# KiCad board Cockpit.kicad_pcb (continued)
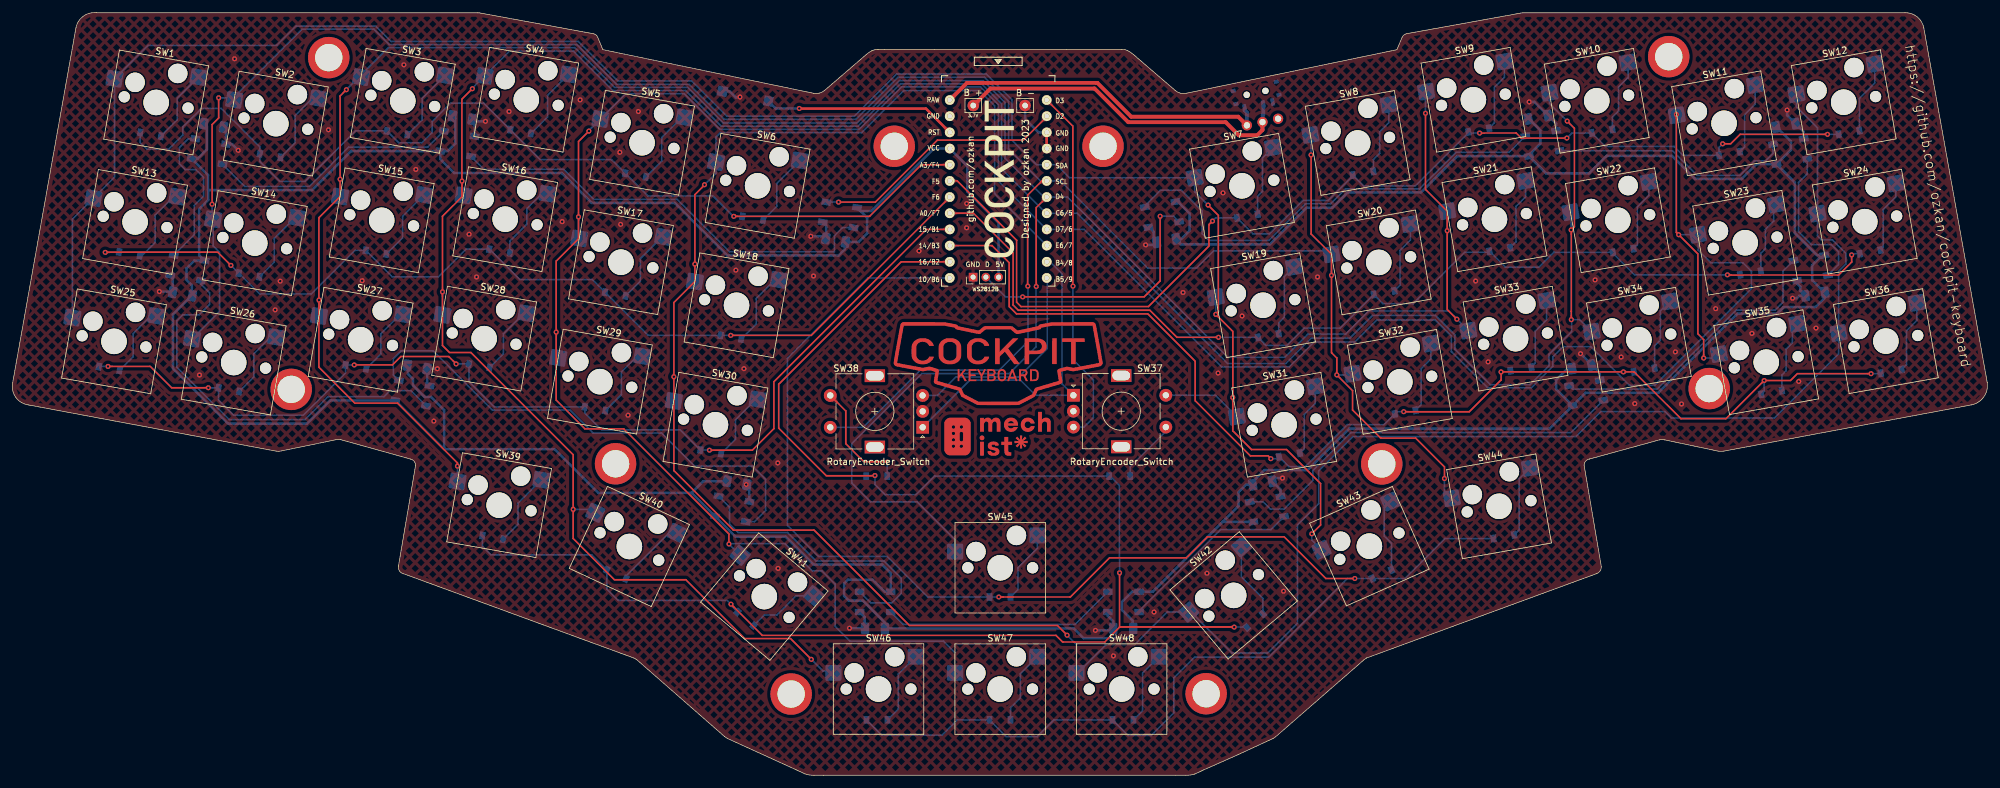
[diagram p0: board, top side]
## Copper pours and planes (outline as drawn; the poured copper is in the pictures) (continued)
VCC on Bottom: 238.78,96.68 238.7,96.76 238.64,96.83 238.59,96.9 238.55,96.96 238.53,97.03 238.5,97.09 238.48,97.16 238.44,97.31 238.41,97.4 237.76,97.41 237.77,96.76 237.86,96.73 238.01,96.69 238.08,96.67 238.14,96.65 238.21,96.62 238.27,96.58 238.34,96.53 238.41,96.47 238.49,96.39
VCC on Bottom: 277.64,95.41 277.56,95.49 277.5,95.56 277.45,95.63 277.42,95.69 277.39,95.76 277.36,95.82 277.34,95.89 277.3,96.04 277.27,96.13 276.62,96.14 276.63,95.49 276.72,95.46 276.88,95.42 276.94,95.4 277.01,95.38 277.07,95.35 277.13,95.31 277.2,95.26 277.27,95.2 277.36,95.12
VCC on Bottom: 277.36,96.81 277.28,96.73 277.21,96.67 277.14,96.62 277.08,96.59 277.01,96.56 276.95,96.53 276.88,96.51 276.73,96.47 276.64,96.44 276.62,95.79 277.27,95.8 277.3,95.89 277.35,96.04 277.37,96.11 277.39,96.17 277.42,96.24 277.46,96.3 277.51,96.37 277.57,96.44 277.65,96.52
VCC on Bottom: 27.89,76.64 27.89,76.48 27.87,76.34 27.85,76.23 27.82,76.13 27.78,76.04 27.74,75.95 27.7,75.86 27.65,75.76 27.6,75.65 27.55,75.52 28.22,74.98 28.74,75.67 28.66,75.78 28.59,75.87 28.53,75.95 28.47,76.03 28.42,76.1 28.38,76.18 28.34,76.27 28.32,76.37 28.3,76.49 28.29,76.64
VCC on Bottom: 193.55,45.35 193.63,45.41 193.7,45.44 193.77,45.43 193.84,45.4 193.91,45.36 193.98,45.3 194.05,45.23 194.12,45.16 194.2,45.09 194.28,45.04 194.92,45.62 194.12,46.09 194.03,46.02 193.95,45.97 193.87,45.93 193.79,45.9 193.63,45.86 193.55,45.83 193.46,45.78 193.37,45.72 193.27,45.63
VCC on Bottom: 175.77,28.63 175.88,28.63 175.98,28.62 176.06,28.6 176.13,28.58 176.19,28.56 176.26,28.53 176.32,28.5 176.46,28.42 176.54,28.38 177.01,28.83 176.54,29.28 176.46,29.24 176.32,29.16 176.26,29.13 176.19,29.1 176.13,29.07 176.06,29.05 175.98,29.04 175.88,29.03 175.77,29.03
VCC on Bottom: 195.1,46.88 194.97,46.76 194.86,46.66 194.76,46.58 194.67,46.52 194.5,46.41 194.42,46.35 194.33,46.28 194.23,46.2 194.12,46.09 194.5,45.31 195.24,45.74 195.22,45.85 195.2,45.94 195.19,46.03 195.17,46.11 195.17,46.19 195.18,46.27 195.2,46.34 195.24,46.42 195.3,46.5 195.38,46.59
VCC on Bottom: 145.53,98.23 145.7,98.22 145.85,98.2 145.97,98.17 146.08,98.12 146.17,98.07 146.27,98.02 146.36,97.95 146.46,97.88 146.58,97.81 146.72,97.74 147.43,98.43 146.72,99.11 146.58,99.04 146.46,98.97 146.36,98.9 146.27,98.84 146.17,98.78 146.08,98.73 145.97,98.68 145.85,98.65 145.7,98.63 145.53,98.63
VCC on Bottom: 69.66,102.41 69.67,103.55 68.78,103.8 68.77,102.94 68.93,102.87 69,102.84 69.06,102.81 69.12,102.77 69.17,102.72 69.21,102.66 69.23,102.59 69.25,102.51 69.26,102.41
VCC on Bottom: 283.6,81.04 283.66,81.1 283.72,81.14 283.78,81.18 283.84,81.2 283.89,81.21 283.95,81.22 284.01,81.21 284.07,81.21 284.21,81.19 284.53,81.75 283.94,82.03 283.86,81.96 283.8,81.88 283.74,81.82 283.6,81.64 283.54,81.57 283.48,81.5 283.4,81.41 283.31,81.32
VCC on Bottom: 283.3,81.48 283.41,81.48 283.51,81.47 283.59,81.45 283.66,81.43 283.72,81.41 283.79,81.38 283.85,81.35 283.99,81.27 284.07,81.23 284.54,81.68 284.07,82.13 283.99,82.09 283.85,82.01 283.79,81.98 283.72,81.95 283.66,81.93 283.59,81.91 283.51,81.89 283.41,81.88 283.3,81.88
VCC on Bottom: 131.92,83.97 131.78,83.97 131.66,83.99 131.56,84.02 131.48,84.05 131.4,84.09 131.32,84.14 131.25,84.19 131.17,84.24 131.07,84.3 130.96,84.36 130.36,83.74 130.99,83.16 131.1,83.22 131.19,83.28 131.34,83.39 131.41,83.44 131.49,83.48 131.57,83.52 131.67,83.54 131.78,83.56 131.92,83.57
VCC on Bottom: 175.54,24.21 175.62,24.11 175.66,24.02 175.65,23.93 175.62,23.85 175.56,23.76 175.49,23.68 175.41,23.59 175.33,23.49 175.26,23.39 175.21,23.27 175.88,22.73 176.31,23.53 176.23,23.63 176.17,23.72 176.13,23.81 176.11,23.9 176.09,23.99 176.07,24.09 176.04,24.18 175.99,24.28 175.92,24.39 175.82,24.5
VCC on Bottom: 27.34,74.29 27.44,74.38 27.54,74.46 27.63,74.51 27.72,74.55 27.81,74.58 27.9,74.6 27.99,74.61 28.09,74.62 28.2,74.64 28.33,74.67 28.44,75.52 27.58,75.59 27.53,75.47 27.49,75.36 27.45,75.25 27.42,75.16 27.39,75.07 27.35,74.98 27.31,74.89 27.24,74.79 27.16,74.68 27.05,74.57
B4 on Bottom: 163.63,79.97 163.49,80.12 163.39,80.25 163.31,80.37 163.25,80.49 163.2,80.6 163.14,80.71 163.09,80.82 163.02,80.93 162.93,81.05 162.81,81.18 161.9,80.76 162.38,79.89 162.52,79.92 162.64,79.95 162.75,79.97 162.85,80 162.95,80.01 163.05,80.01 163.14,79.99 163.24,79.96 163.34,79.89 163.45,79.79
B4 on Bottom: 164.96,61 165.12,60.82 165.23,60.66 165.3,60.51 165.35,60.36 165.37,60.22 165.39,60.07 165.4,59.91 165.42,59.74 165.45,59.56 165.51,59.35 166.81,59.33 166.78,60.62 166.58,60.68 166.39,60.72 166.22,60.74 166.07,60.75 165.92,60.76 165.77,60.79 165.63,60.83 165.48,60.91 165.31,61.02 165.14,61.18
B4 on Bottom: 164.47,59.55 164.7,59.54 164.9,59.51 165.05,59.45 165.19,59.38 165.31,59.29 165.42,59.2 165.54,59.1 165.68,58.99 165.83,58.88 166.02,58.78 166.96,59.68 166.02,60.58 165.83,60.48 165.68,60.37 165.54,60.26 165.42,60.16 165.31,60.07 165.19,59.98 165.05,59.91 164.9,59.85 164.7,59.82 164.47,59.8
B4 on Bottom: 144.11,56.14 143.94,55.99 143.78,55.87 143.62,55.8 143.48,55.76 143.33,55.73 143.18,55.72 143.03,55.71 142.86,55.69 142.67,55.65 142.47,55.59 142.44,54.29 143.74,54.32 143.8,54.53 143.83,54.71 143.85,54.88 143.86,55.04 143.88,55.19 143.9,55.33 143.95,55.48 144.02,55.63 144.13,55.79 144.29,55.97
B5 on Bottom: 144.78,59.77 144.55,59.79 144.36,59.82 144.2,59.88 144.06,59.95 143.94,60.03 143.83,60.13 143.71,60.23 143.57,60.34 143.42,60.44 143.23,60.55 142.29,59.65 143.23,58.75 143.42,58.85 143.57,58.96 143.71,59.06 143.83,59.17 143.94,59.26 144.06,59.35 144.2,59.42 144.36,59.47 144.55,59.51 144.78,59.52
B5 on Bottom: 162.47,76.59 162.48,76.77 162.5,76.92 162.54,77.05 162.59,77.16 162.65,77.26 162.72,77.35 162.78,77.45 162.85,77.56 162.92,77.69 162.98,77.85 162.23,78.48 161.62,77.71 161.71,77.58 161.8,77.47 161.88,77.37 161.96,77.29 162.03,77.21 162.09,77.12 162.15,77.02 162.19,76.9 162.21,76.76 162.22,76.59
COL0 on Bottom: 190.25,58 190.45,57.78 190.59,57.57 190.68,57.38 190.73,57.2 190.76,57.01 190.77,56.82 190.78,56.62 190.8,56.41 190.84,56.18 190.92,55.92 192.54,55.88 192.51,57.51 192.25,57.58 192.02,57.62 191.8,57.65 191.6,57.66 191.42,57.67 191.23,57.7 191.05,57.75 190.85,57.84 190.65,57.98 190.43,58.18
COL0 on Bottom: 9.23,74.36 9.21,74.07 9.17,73.83 9.09,73.63 9,73.46 8.89,73.31 8.77,73.17 8.63,73.02 8.5,72.85 8.36,72.66 8.23,72.42 9.36,71.25 10.48,72.42 10.35,72.66 10.21,72.85 10.08,73.02 9.95,73.17 9.82,73.31 9.71,73.46 9.62,73.63 9.54,73.83 9.5,74.07 9.48,74.36
COL0 on Bottom: 160.75,95.76 160.93,95.75 161.07,95.73 161.19,95.69 161.3,95.64 161.39,95.57 161.48,95.51 161.57,95.43 161.68,95.36 161.79,95.28 161.94,95.2 162.65,95.89 161.94,96.57 161.79,96.49 161.68,96.42 161.57,96.34 161.48,96.26 161.39,96.2 161.3,96.14 161.19,96.08 161.07,96.04 160.93,96.02 160.75,96.01
COL0 on Bottom: 182.95,59.8 182.71,59.82 182.52,59.85 182.36,59.91 182.22,59.98 182.1,60.07 181.99,60.16 181.87,60.26 181.74,60.37 181.58,60.48 181.39,60.58 180.46,59.68 181.39,58.78 181.58,58.88 181.74,58.99 181.87,59.1 181.99,59.2 182.1,59.29 182.22,59.38 182.36,59.45 182.52,59.51 182.71,59.54 182.95,59.55
COL0 on Bottom: 188.92,72.6 188.93,72.89 188.98,73.14 189.05,73.33 189.15,73.5 189.26,73.65 189.38,73.79 189.52,73.94 189.65,74.11 189.79,74.3 189.92,74.54 188.79,75.71 187.67,74.54 187.8,74.3 187.93,74.11 188.07,73.94 188.2,73.79 188.33,73.65 188.44,73.5 188.53,73.33 188.6,73.14 188.65,72.89 188.67,72.6
COL0 on Bottom: 185.79,91.52 185.63,91.72 185.57,91.9 185.59,92.07 185.67,92.22 185.8,92.38 185.96,92.54 186.13,92.7 186.31,92.88 186.48,93.08 186.61,93.3 185.48,94.47 184.6,92.96 184.76,92.79 184.87,92.63 184.96,92.48 185.02,92.33 185.08,92.18 185.14,92.04 185.21,91.88 185.3,91.72 185.44,91.54 185.61,91.35
COL0 on Bottom: 17.66,111.24 17.44,111.05 17.23,110.91 17.04,110.82 16.86,110.76 16.67,110.74 16.48,110.72 16.28,110.71 16.07,110.69 15.83,110.65 15.57,110.58 15.53,108.96 17.15,108.97 17.23,109.23 17.27,109.47 17.3,109.68 17.31,109.88 17.32,110.07 17.35,110.26 17.41,110.45 17.5,110.64 17.64,110.84 17.84,111.07
COL0 on Bottom: 182.99,93.72 183.29,93.71 183.53,93.66 183.73,93.59 183.9,93.49 184.05,93.38 184.19,93.26 184.34,93.13 184.51,92.99 184.7,92.85 184.94,92.72 186.11,93.85 184.94,94.97 184.7,94.84 184.51,94.71 184.34,94.57 184.19,94.44 184.05,94.31 183.9,94.2 183.73,94.11 183.53,94.04 183.29,93.99 182.99,93.97
COL0 on Bottom: 163.89,95.97 163.77,96.07 163.65,96.14 163.54,96.18 163.43,96.2 163.33,96.22 163.23,96.23 163.12,96.24 163.02,96.28 162.91,96.33 162.81,96.42 161.89,95.89 162.6,95.2 162.74,95.29 162.86,95.4 162.98,95.52 163.08,95.64 163.18,95.75 163.27,95.85 163.37,95.91 163.47,95.92 163.58,95.89 163.71,95.79
COL0 on Bottom: 14.34,92.48 14.11,92.29 13.91,92.15 13.72,92.06 13.53,92.01 13.35,91.98 13.16,91.97 12.96,91.95 12.75,91.93 12.51,91.89 12.25,91.81 12.22,90.19 13.84,90.22 13.92,90.48 13.96,90.72 13.98,90.93 13.99,91.13 14.01,91.32 14.04,91.5 14.09,91.69 14.18,91.88 14.31,92.08 14.51,92.31
COL0 on Bottom: 16.1,106.9 16.11,107.2 16.16,107.44 16.23,107.64 16.33,107.81 16.44,107.96 16.56,108.1 16.69,108.25 16.83,108.42 16.97,108.61 17.1,108.85 15.97,110.02 14.85,108.85 14.98,108.61 15.11,108.42 15.25,108.25 15.38,108.1 15.51,107.96 15.62,107.81 15.71,107.64 15.78,107.44 15.83,107.2 15.85,106.9
COL0 on Bottom: 203.74,37.28 203.75,37.02 203.78,36.81 203.83,36.62 203.88,36.46 203.94,36.31 204,36.17 204.06,36.02 204.11,35.85 204.14,35.65 204.15,35.42 205.84,34.98 205.81,36.6 205.56,36.66 205.31,36.69 205.05,36.69 204.81,36.68 204.59,36.68 204.39,36.71 204.23,36.76 204.1,36.87 204.02,37.04 203.99,37.28
COL0 on Bottom: 10.99,88.78 11.21,88.98 11.42,89.12 11.61,89.21 11.79,89.26 11.98,89.29 12.17,89.3 12.36,89.31 12.58,89.34 12.81,89.38 13.07,89.45 13.11,91.08 11.48,91.04 11.41,90.78 11.36,90.55 11.34,90.34 11.33,90.14 11.32,89.95 11.29,89.76 11.24,89.58 11.15,89.39 11.01,89.18 10.81,88.96
COL0 on Bottom: 191.34,58.65 191.32,58.33 191.29,58.06 191.23,57.83 191.17,57.63 191.09,57.44 191.02,57.26 190.96,57.07 190.9,56.86 190.86,56.62 190.85,56.33 192.42,55.79 192.79,57.37 192.6,57.49 192.42,57.58 192.24,57.67 192.09,57.75 191.95,57.84 191.82,57.95 191.72,58.07 191.65,58.22 191.6,58.42 191.59,58.65
COL1 on Top: 161.05,92.71 161.14,92.79 161.23,92.84 161.32,92.87 161.4,92.88 161.48,92.87 161.57,92.84 161.65,92.8 161.74,92.76 161.84,92.71 161.94,92.66 162.65,93.35 161.73,93.88 161.62,93.77 161.53,93.67 161.45,93.58 161.39,93.49 161.26,93.32 161.19,93.23 161.1,93.13 161,93.02 160.87,92.89
COL1 on Bottom: 29.81,70.4 29.59,70.2 29.38,70.06 29.19,69.97 29.01,69.92 28.82,69.89 28.63,69.88 28.44,69.87 28.22,69.85 27.99,69.8 27.73,69.73 27.7,68.11 29.32,68.14 29.39,68.4 29.44,68.63 29.46,68.85 29.47,69.04 29.48,69.23 29.51,69.42 29.56,69.6 29.65,69.79 29.79,70 29.99,70.22
COL1 on Bottom: 130.28,54.77 130.05,54.79 129.86,54.82 129.7,54.88 129.56,54.95 129.44,55.03 129.33,55.13 129.21,55.23 129.07,55.34 128.92,55.44 128.73,55.55 127.79,54.65 128.73,53.75 128.92,53.85 129.07,53.96 129.21,54.06 129.33,54.17 129.44,54.26 129.56,54.35 129.7,54.42 129.86,54.47 130.05,54.51 130.28,54.52
COL1 on Bottom: 36.17,108.13 35.93,107.92 35.71,107.76 35.51,107.65 35.31,107.58 35.12,107.53 34.93,107.48 34.73,107.43 34.52,107.36 34.29,107.25 34.05,107.1 34.44,105.53 36,105.98 36.01,106.24 35.99,106.46 35.97,106.67 35.95,106.86 35.93,107.04 35.94,107.21 35.97,107.39 36.05,107.57 36.17,107.75 36.35,107.96
COL1 on Bottom: 203.87,98.08 203.89,98.38 203.94,98.63 204.01,98.84 204.1,99.02 204.21,99.17 204.33,99.32 204.45,99.48 204.58,99.66 204.7,99.87 204.81,100.12 203.6,101.2 202.57,99.94 202.72,99.72 202.86,99.54 203.01,99.38 203.15,99.24 203.28,99.1 203.39,98.96 203.49,98.8 203.56,98.6 203.61,98.37 203.62,98.08
COL1 on Bottom: 32.31,106.27 32.58,106.26 32.79,106.21 32.97,106.14 33.11,106.04 33.24,105.93 33.36,105.79 33.59,105.49 33.74,105.32 33.91,105.15 35.36,105.91 34.49,107.29 34.22,107.22 33.99,107.13 33.8,107.03 33.63,106.93 33.46,106.83 33.29,106.73 33.11,106.65 32.89,106.58 32.63,106.54 32.31,106.52
COL1 on Bottom: 207.79,62.75 208.09,62.73 208.35,62.69 208.55,62.62 208.73,62.53 208.9,62.43 209.21,62.2 209.39,62.09 209.6,61.98 209.86,61.87 210.88,63.15 209.53,64.07 209.34,63.91 209.17,63.76 209.03,63.61 208.9,63.47 208.77,63.34 208.64,63.22 208.48,63.13 208.29,63.06 208.07,63.01 207.79,63
COL1 on Bottom: 31.57,84.82 31.59,85.11 31.63,85.36 31.71,85.56 31.8,85.72 31.91,85.87 32.04,86.02 32.17,86.16 32.3,86.33 32.44,86.53 32.57,86.76 31.45,87.93 30.32,86.76 30.45,86.53 30.59,86.33 30.72,86.16 30.86,86.02 30.98,85.87 31.09,85.72 31.18,85.56 31.26,85.36 31.3,85.11 31.32,84.82
COL1 on Bottom: 204.58,82.25 204.83,82.23 205.03,82.18 205.19,82.11 205.32,82.01 205.43,81.89 205.53,81.75 205.62,81.59 205.72,81.42 205.83,81.24 205.97,81.05 207.52,81.54 206.96,83.07 206.66,83.05 206.41,83.01 206.19,82.94 206,82.87 205.82,82.78 205.63,82.7 205.43,82.62 205.19,82.56 204.91,82.51 204.58,82.5
COL1 on Bottom: 163.79,93.47 163.61,93.48 163.46,93.5 163.34,93.54 163.24,93.6 163.14,93.66 163.05,93.72 162.96,93.8 162.86,93.88 162.74,93.95 162.6,94.03 161.89,93.35 162.6,92.66 162.74,92.74 162.86,92.82 162.96,92.89 163.05,92.97 163.14,93.03 163.24,93.1 163.34,93.15 163.46,93.19 163.61,93.21 163.79,93.22
COL1 on Bottom: 224.56,45.54 224.56,45.26 224.57,45.02 224.57,44.82 224.58,44.15 224.58,43.97 224.59,43.76 224.59,43.51 226.28,43.07 226.25,44.69 226.04,44.75 225.83,44.79 225.63,44.82 225.44,44.85 225.27,44.89 225.12,44.95 224.99,45.03 224.9,45.15 224.83,45.32 224.81,45.54
COL1 on Bottom: 207.08,79.33 207.1,79.62 207.14,79.86 207.22,80.06 207.31,80.23 207.42,80.38 207.55,80.52 207.68,80.67 207.81,80.84 207.95,81.03 208.08,81.27 206.96,82.44 205.83,81.27 205.96,81.03 206.1,80.84 206.23,80.67 206.37,80.52 206.49,80.38 206.6,80.23 206.69,80.06 206.77,79.86 206.81,79.62 206.83,79.33
COL1 on Bottom: 160.81,93.64 160.93,93.52 161.03,93.42 161.13,93.34 161.21,93.27 161.36,93.14 161.44,93.07 161.53,93 161.62,92.91 161.73,92.81 162.65,93.35 161.94,94.03 161.82,93.97 161.72,93.9 161.62,93.84 161.53,93.78 161.44,93.72 161.36,93.69 161.27,93.68 161.18,93.69 161.08,93.73 160.98,93.82
COL1 on Bottom: 31.16,89.68 31.14,89.41 31.11,89.18 31.05,88.99 30.97,88.82 30.88,88.67 30.78,88.53 30.67,88.39 30.56,88.24 30.45,88.08 30.33,87.88 31.53,86.69 32.37,88.15 32.23,88.3 32.08,88.43 31.95,88.54 31.82,88.66 31.71,88.78 31.61,88.9 31.52,89.05 31.46,89.22 31.42,89.43 31.41,89.68
COL2 on Top: 161.28,89.64 161.41,89.76 161.54,89.85 161.65,89.91 161.76,89.94 161.87,89.97 161.98,89.98 162.1,89.99 162.22,90.01 162.36,90.04 162.52,90.09 162.54,91.08 161.55,91.06 161.5,90.9 161.47,90.76 161.46,90.64 161.44,90.52 161.43,90.41 161.41,90.3 161.37,90.19 161.31,90.07 161.22,89.95 161.1,89.82
COL2 on Bottom: 225.24,86.11 225.26,86.41 225.3,86.65 225.38,86.85 225.47,87.01 225.58,87.16 225.71,87.31 225.84,87.46 225.97,87.62 226.11,87.82 226.24,88.05 225.12,89.22 223.99,88.05 224.12,87.82 224.26,87.62 224.39,87.46 224.53,87.31 224.65,87.16 224.76,87.01 224.86,86.85 224.93,86.65 224.97,86.41 224.99,86.11
COL2 on Bottom: 163.79,90.93 163.61,90.94 163.46,90.96 163.34,91 163.24,91.06 163.14,91.12 163.05,91.18 162.96,91.26 162.86,91.34 162.74,91.41 162.6,91.49 161.89,90.81 162.6,90.12 162.74,90.2 162.86,90.28 162.96,90.35 163.05,90.43 163.14,90.49 163.24,90.56 163.34,90.61 163.46,90.65 163.61,90.67 163.79,90.68
COL2 on Bottom: 221.83,104.86 221.85,105.15 221.89,105.38 221.97,105.58 222.06,105.74 222.18,105.89 222.31,106.02 222.44,106.16 222.59,106.32 222.74,106.5 222.89,106.73 221.86,107.98 220.64,106.91 220.76,106.65 220.88,106.44 221.01,106.27 221.13,106.11 221.25,105.96 221.35,105.8 221.45,105.62 221.52,105.41 221.56,105.16 221.58,104.86
COL2 on Bottom: 51.25,93.38 51.23,93.09 51.19,92.85 51.11,92.65 51.02,92.48 50.91,92.33 50.78,92.19 50.65,92.04 50.51,91.87 50.38,91.68 50.24,91.44 51.36,90.26 52.49,91.43 52.36,91.67 52.23,91.86 52.09,92.03 51.96,92.18 51.84,92.32 51.73,92.47 51.63,92.64 51.56,92.84 51.52,93.09 51.5,93.38
COL2 on Bottom: 226.58,71.51 226.77,71.29 226.91,71.09 227,70.89 227.05,70.71 227.08,70.52 227.09,70.34 227.1,70.14 227.13,69.92 227.17,69.69 227.24,69.43 228.87,69.4 228.83,71.02 228.57,71.1 228.34,71.14 228.13,71.16 227.93,71.17 227.74,71.18 227.55,71.21 227.37,71.26 227.18,71.35 226.97,71.49 226.75,71.69
COL2 on Bottom: 160.92,91.52 161.06,91.37 161.16,91.23 161.24,91.11 161.3,90.99 161.35,90.88 161.4,90.76 161.45,90.65 161.51,90.53 161.6,90.41 161.72,90.27 162.63,90.68 162.19,91.56 162.05,91.54 161.93,91.52 161.82,91.5 161.71,91.48 161.61,91.46 161.51,91.47 161.42,91.49 161.32,91.53 161.21,91.6 161.1,91.69
COL2 on Bottom: 47.93,74.61 47.92,74.32 47.87,74.08 47.8,73.88 47.71,73.71 47.6,73.56 47.47,73.42 47.34,73.27 47.2,73.11 47.07,72.91 46.94,72.68 48.06,71.5 49.18,72.68 49.05,72.91 48.91,73.11 48.78,73.27 48.65,73.42 48.52,73.56 48.41,73.71 48.32,73.88 48.25,74.08 48.2,74.32 48.18,74.61
COL2 on Bottom: 69.7,48.46 69.79,48.34 69.84,48.2 69.86,48.06 69.85,47.92 69.83,47.78 69.79,47.66 69.74,47.55 69.7,47.46 69.67,47.41 69.66,47.39 69.8,45.52 69.93,47.39 69.97,47.47 70,47.57 70.04,47.7 70.07,47.85 70.09,48.01 70.08,48.17 70.05,48.34 69.99,48.49 69.88,48.64
COL2 on Bottom: 147.34,37.35 147.49,37.17 147.56,37 147.56,36.85 147.51,36.69 147.42,36.54 147.3,36.39 147.16,36.23 147.02,36.06 146.88,35.88 146.76,35.67 147.89,34.5 148.77,36.01 148.61,36.19 148.47,36.34 148.36,36.48 148.26,36.61 148.08,36.87 147.98,37.01 147.86,37.16 147.71,37.33 147.52,37.53
COL3 on Bottom: 126.47,16.88 126.68,16.66 126.85,16.47 126.99,16.3 127.11,16.15 127.32,15.86 127.44,15.72 127.56,15.56 127.72,15.39 127.9,15.19 129.39,15.93 128.52,17.3 128.29,17.23 128.07,17.14 127.88,17.04 127.7,16.94 127.53,16.86 127.36,16.8 127.19,16.78 127.02,16.81 126.84,16.89 126.65,17.05
COL3 on Bottom: 161.05,89.2 161.18,89.07 161.27,88.94 161.33,88.82 161.37,88.71 161.4,88.6 161.42,88.49 161.44,88.37 161.47,88.24 161.51,88.1 161.57,87.95 162.56,88.02 162.45,89.01 162.3,89.04 162.16,89.05 162.03,89.06 161.91,89.07 161.8,89.07 161.7,89.09 161.59,89.13 161.48,89.18 161.36,89.26 161.23,89.38
COL3 on Bottom: 70.37,93.31 70.36,93.07 70.33,92.86 70.28,92.67 70.22,92.52 70.14,92.38 70.05,92.24 69.96,92.12 69.86,91.99 69.76,91.84 69.66,91.69 70.87,90.45 71.51,92.06 71.37,92.16 71.24,92.24 71.12,92.33 71.01,92.42 70.9,92.52 70.81,92.64 70.73,92.77 70.67,92.92 70.64,93.1 70.62,93.31
COL3 on Bottom: 89.04,41.63 89.29,41.62 89.49,41.57 89.65,41.5 89.78,41.4 89.9,41.28 89.99,41.14 90.09,40.98 90.19,40.81 90.31,40.63 90.45,40.44 91.99,40.96 91.41,42.47 91.11,42.45 90.86,42.41 90.65,42.34 90.46,42.26 90.27,42.17 90.09,42.09 89.88,42.01 89.65,41.94 89.37,41.9 89.04,41.88
COL3 on Bottom: 244.69,86.04 244.71,86.33 244.75,86.57 244.83,86.77 244.92,86.93 245.03,87.08 245.28,87.37 245.4,87.54 245.53,87.74 245.64,87.98 244.42,89.06 243.39,87.8 243.53,87.59 243.68,87.42 243.82,87.27 243.96,87.14 244.09,87.01 244.2,86.88 244.3,86.72 244.37,86.54 244.42,86.32 244.44,86.04
COL3 on Bottom: 245.93,71.35 246.13,71.13 246.27,70.92 246.36,70.73 246.41,70.55 246.44,70.36 246.45,70.17 246.46,69.97 246.48,69.76 246.52,69.53 246.6,69.27 248.22,69.23 248.19,70.86 247.93,70.93 247.7,70.97 247.48,71 247.28,71.01 247.09,71.02 246.91,71.05 246.72,71.1 246.53,71.19 246.33,71.33 246.11,71.52
COL3 on Bottom: 163.79,88.39 163.61,88.4 163.46,88.42 163.34,88.46 163.24,88.52 163.14,88.58 163.05,88.64 162.96,88.72 162.86,88.8 162.74,88.87 162.6,88.95 161.89,88.27 162.6,87.58 162.74,87.66 162.86,87.74 162.96,87.81 163.05,87.89 163.14,87.95 163.24,88.02 163.34,88.07 163.46,88.11 163.61,88.13 163.79,88.14
COL3 on Bottom: 241.84,105.03 241.69,105.2 241.62,105.36 241.61,105.51 241.64,105.66 241.72,105.81 241.82,105.96 242.06,106.28 242.18,106.46 242.29,106.65 241.16,107.82 240.28,106.31 240.45,106.14 240.6,105.99 240.72,105.85 240.83,105.73 241.05,105.49 241.17,105.36 241.3,105.21 241.46,105.05 241.66,104.85
COL3 on Bottom: 67.31,74.79 67.3,74.5 67.25,74.26 67.18,74.06 67.08,73.89 66.97,73.74 66.85,73.6 66.72,73.45 66.58,73.28 66.45,73.09 66.31,72.85 67.44,71.68 68.56,72.85 68.43,73.09 68.3,73.28 68.16,73.45 68.03,73.6 67.91,73.74 67.79,73.89 67.7,74.06 67.63,74.26 67.58,74.5 67.56,74.79
COL4 on Bottom: 161.09,86.71 161.21,86.57 161.3,86.45 161.36,86.33 161.4,86.22 161.42,86.11 161.44,86 161.45,85.88 161.47,85.75 161.5,85.61 161.55,85.46 162.54,85.46 162.5,86.45 162.35,86.49 162.21,86.52 162.08,86.53 161.96,86.55 161.85,86.56 161.74,86.58 161.63,86.62 161.52,86.68 161.4,86.76 161.26,86.88
COL4 on Bottom: 88.66,86.81 88.65,86.5 88.6,86.25 88.53,86.04 88.44,85.86 88.33,85.7 88.09,85.39 87.97,85.21 87.85,85 87.74,84.74 88.98,83.69 89.98,84.96 89.83,85.18 89.68,85.36 89.53,85.52 89.39,85.65 89.26,85.79 89.15,85.93 89.05,86.09 88.98,86.28 88.93,86.52 88.91,86.81
COL4 on Bottom: 264.65,82.51 264.48,82.73 264.42,82.92 264.45,83.09 264.55,83.26 264.7,83.42 264.89,83.59 265.09,83.76 265.29,83.96 265.47,84.17 265.6,84.41 264.42,85.53 263.57,84.02 263.72,83.85 263.83,83.68 263.9,83.52 263.95,83.36 263.99,83.21 264.04,83.05 264.09,82.89 264.18,82.71 264.3,82.53 264.47,82.34
COL4 on Bottom: 85.16,68.01 85.14,67.69 85.1,67.43 85.03,67.21 84.94,67.02 84.84,66.84 84.74,66.67 84.63,66.5 84.54,66.3 84.45,66.07 84.38,65.79 85.77,64.94 86.55,66.37 86.38,66.55 86.21,66.7 86.05,66.83 85.9,66.95 85.76,67.07 85.64,67.19 85.54,67.34 85.47,67.52 85.42,67.74 85.41,68.01
COL4 on Bottom: 112.33,36.42 112.25,36.29 112.29,36.17 112.4,36.08 112.58,35.99 112.78,35.91 112.98,35.83 113.16,35.75 113.29,35.66 113.33,35.56 113.27,35.44 114.59,34.12 114.56,35.74 114.27,35.81 113.94,35.84 113.59,35.84 113.24,35.84 112.92,35.83 112.65,35.83 112.45,35.86 112.35,35.93 112.36,36.05 112.51,36.24
COL4 on Bottom: 265.42,65.4 265.75,65.38 266.02,65.35 266.25,65.29 266.45,65.22 266.64,65.15 266.82,65.07 267.01,65 267.22,64.95 267.47,64.91 267.76,64.9 268.3,66.45 266.73,66.85 266.61,66.66 266.51,66.48 266.42,66.3 266.33,66.15 266.24,66.01 266.14,65.88 266.01,65.78 265.85,65.71 265.66,65.66 265.42,65.65
COL4 on Bottom: 163.79,85.85 163.61,85.86 163.46,85.88 163.34,85.92 163.24,85.98 163.14,86.04 163.05,86.1 162.96,86.18 162.86,86.26 162.74,86.33 162.6,86.41 161.89,85.73 162.6,85.04 162.74,85.12 162.86,85.2 162.96,85.27 163.05,85.35 163.14,85.41 163.24,85.48 163.34,85.53 163.46,85.57 163.61,85.59 163.79,85.6
COL4 on Bottom: 147.72,18.55 147.71,18.25 147.66,18.01 147.59,17.81 147.49,17.64 147.38,17.49 147.26,17.35 147.13,17.2 147,17.03 146.86,16.84 146.74,16.6 147.89,15.45 148.99,16.64 148.85,16.87 148.72,17.06 148.58,17.23 148.44,17.37 148.32,17.51 148.21,17.66 148.11,17.82 148.04,18.02 147.99,18.26 147.97,18.55
COL4 on Bottom: 261.97,84.77 262.27,84.76 262.51,84.71 262.71,84.64 262.88,84.54 263.02,84.43 263.17,84.31 263.32,84.18 263.48,84.04 263.68,83.91 263.92,83.78 265.08,84.91 263.9,86.03 263.67,85.9 263.47,85.76 263.31,85.62 263.16,85.49 263.02,85.36 262.87,85.25 262.7,85.16 262.51,85.09 262.27,85.04 261.97,85.02
COL4 on Bottom: 90.55,101.22 90.77,101.42 90.98,101.56 91.17,101.65 91.35,101.7 91.54,101.73 91.73,101.74 91.92,101.75 92.14,101.77 92.37,101.81 92.63,101.89 92.66,103.51 91.04,103.48 90.97,103.22 90.92,102.99 90.9,102.77 90.89,102.57 90.88,102.38 90.85,102.2 90.8,102.02 90.71,101.82 90.57,101.62 90.37,101.4
COL5 on Bottom: 168.72,17.83 168.51,17.64 168.31,17.51 168.12,17.42 167.94,17.38 167.76,17.36 167.57,17.36 167.38,17.36 167.16,17.36 166.93,17.34 166.67,17.3 166.45,15.69 168.06,15.53 168.17,15.79 168.24,16.02 168.29,16.24 168.34,16.63 168.38,16.82 168.45,17.01 168.54,17.21 168.69,17.42 168.9,17.65
COL5 on Bottom: 106.93,80.03 106.91,79.74 106.86,79.49 106.79,79.3 106.7,79.13 106.59,78.98 106.46,78.83 106.33,78.69 106.19,78.52 106.06,78.32 105.93,78.09 107.05,76.92 108.18,78.09 108.05,78.32 107.91,78.52 107.77,78.69 107.64,78.83 107.52,78.98 107.41,79.13 107.31,79.3 107.24,79.49 107.19,79.74 107.18,80.03
COL5 on Bottom: 182.4,25.52 182.65,25.5 182.86,25.45 183.02,25.37 183.15,25.27 183.27,25.15 183.38,25.03 183.5,24.89 183.63,24.76 183.8,24.63 184,24.52 185.17,25.64 184,26.77 183.8,26.65 183.63,26.52 183.5,26.39 183.38,26.26 183.27,26.13 183.15,26.01 183.02,25.91 182.86,25.83 182.65,25.78 182.4,25.77
COL5 on Bottom: 286.41,71.94 286.4,71.65 286.35,71.41 286.28,71.21 286.18,71.04 286.07,70.89 285.95,70.75 285.82,70.6 285.68,70.43 285.54,70.24 285.41,70 286.54,68.83 287.66,70 287.53,70.24 287.4,70.43 287.26,70.6 287.13,70.75 287,70.89 286.89,71.04 286.8,71.21 286.73,71.41 286.68,71.65 286.66,71.94
COL5 on Bottom: 286.66,66.96 286.68,67.26 286.73,67.5 286.8,67.7 286.89,67.87 287,68.02 287.13,68.16 287.26,68.31 287.4,68.48 287.53,68.67 287.66,68.91 286.54,70.08 285.41,68.91 285.54,68.67 285.68,68.48 285.82,68.31 285.95,68.16 286.07,68.02 286.18,67.87 286.28,67.7 286.35,67.5 286.4,67.26 286.41,66.96
COL5 on Bottom: 186.56,24.15 186.35,24.38 186.2,24.6 186.09,24.8 186.03,24.99 185.98,25.18 185.94,25.37 185.9,25.57 185.84,25.79 185.76,26.02 185.62,26.27 184.03,25.99 184.37,24.4 184.63,24.38 184.86,24.38 185.07,24.39 185.26,24.4 185.44,24.41 185.62,24.4 185.8,24.36 185.98,24.28 186.18,24.15 186.38,23.97